# Altium PCB UltraZohm_Digital_Sensor_Board_v1.01.PcbDoc (part 2 of 4)
Units mm, origin at the board's own origin, x right, y up, seen from the top; angles counter-clockwise.
Board outline 156 x 100 mm, 4 copper layers (Top Layer, GND, VCC, Bottom Layer), stack 0.778 mm thick; 386 components, 224 nets, 1254 pads, 301 vias.
Unrouted connection lines stored in the file: 1.
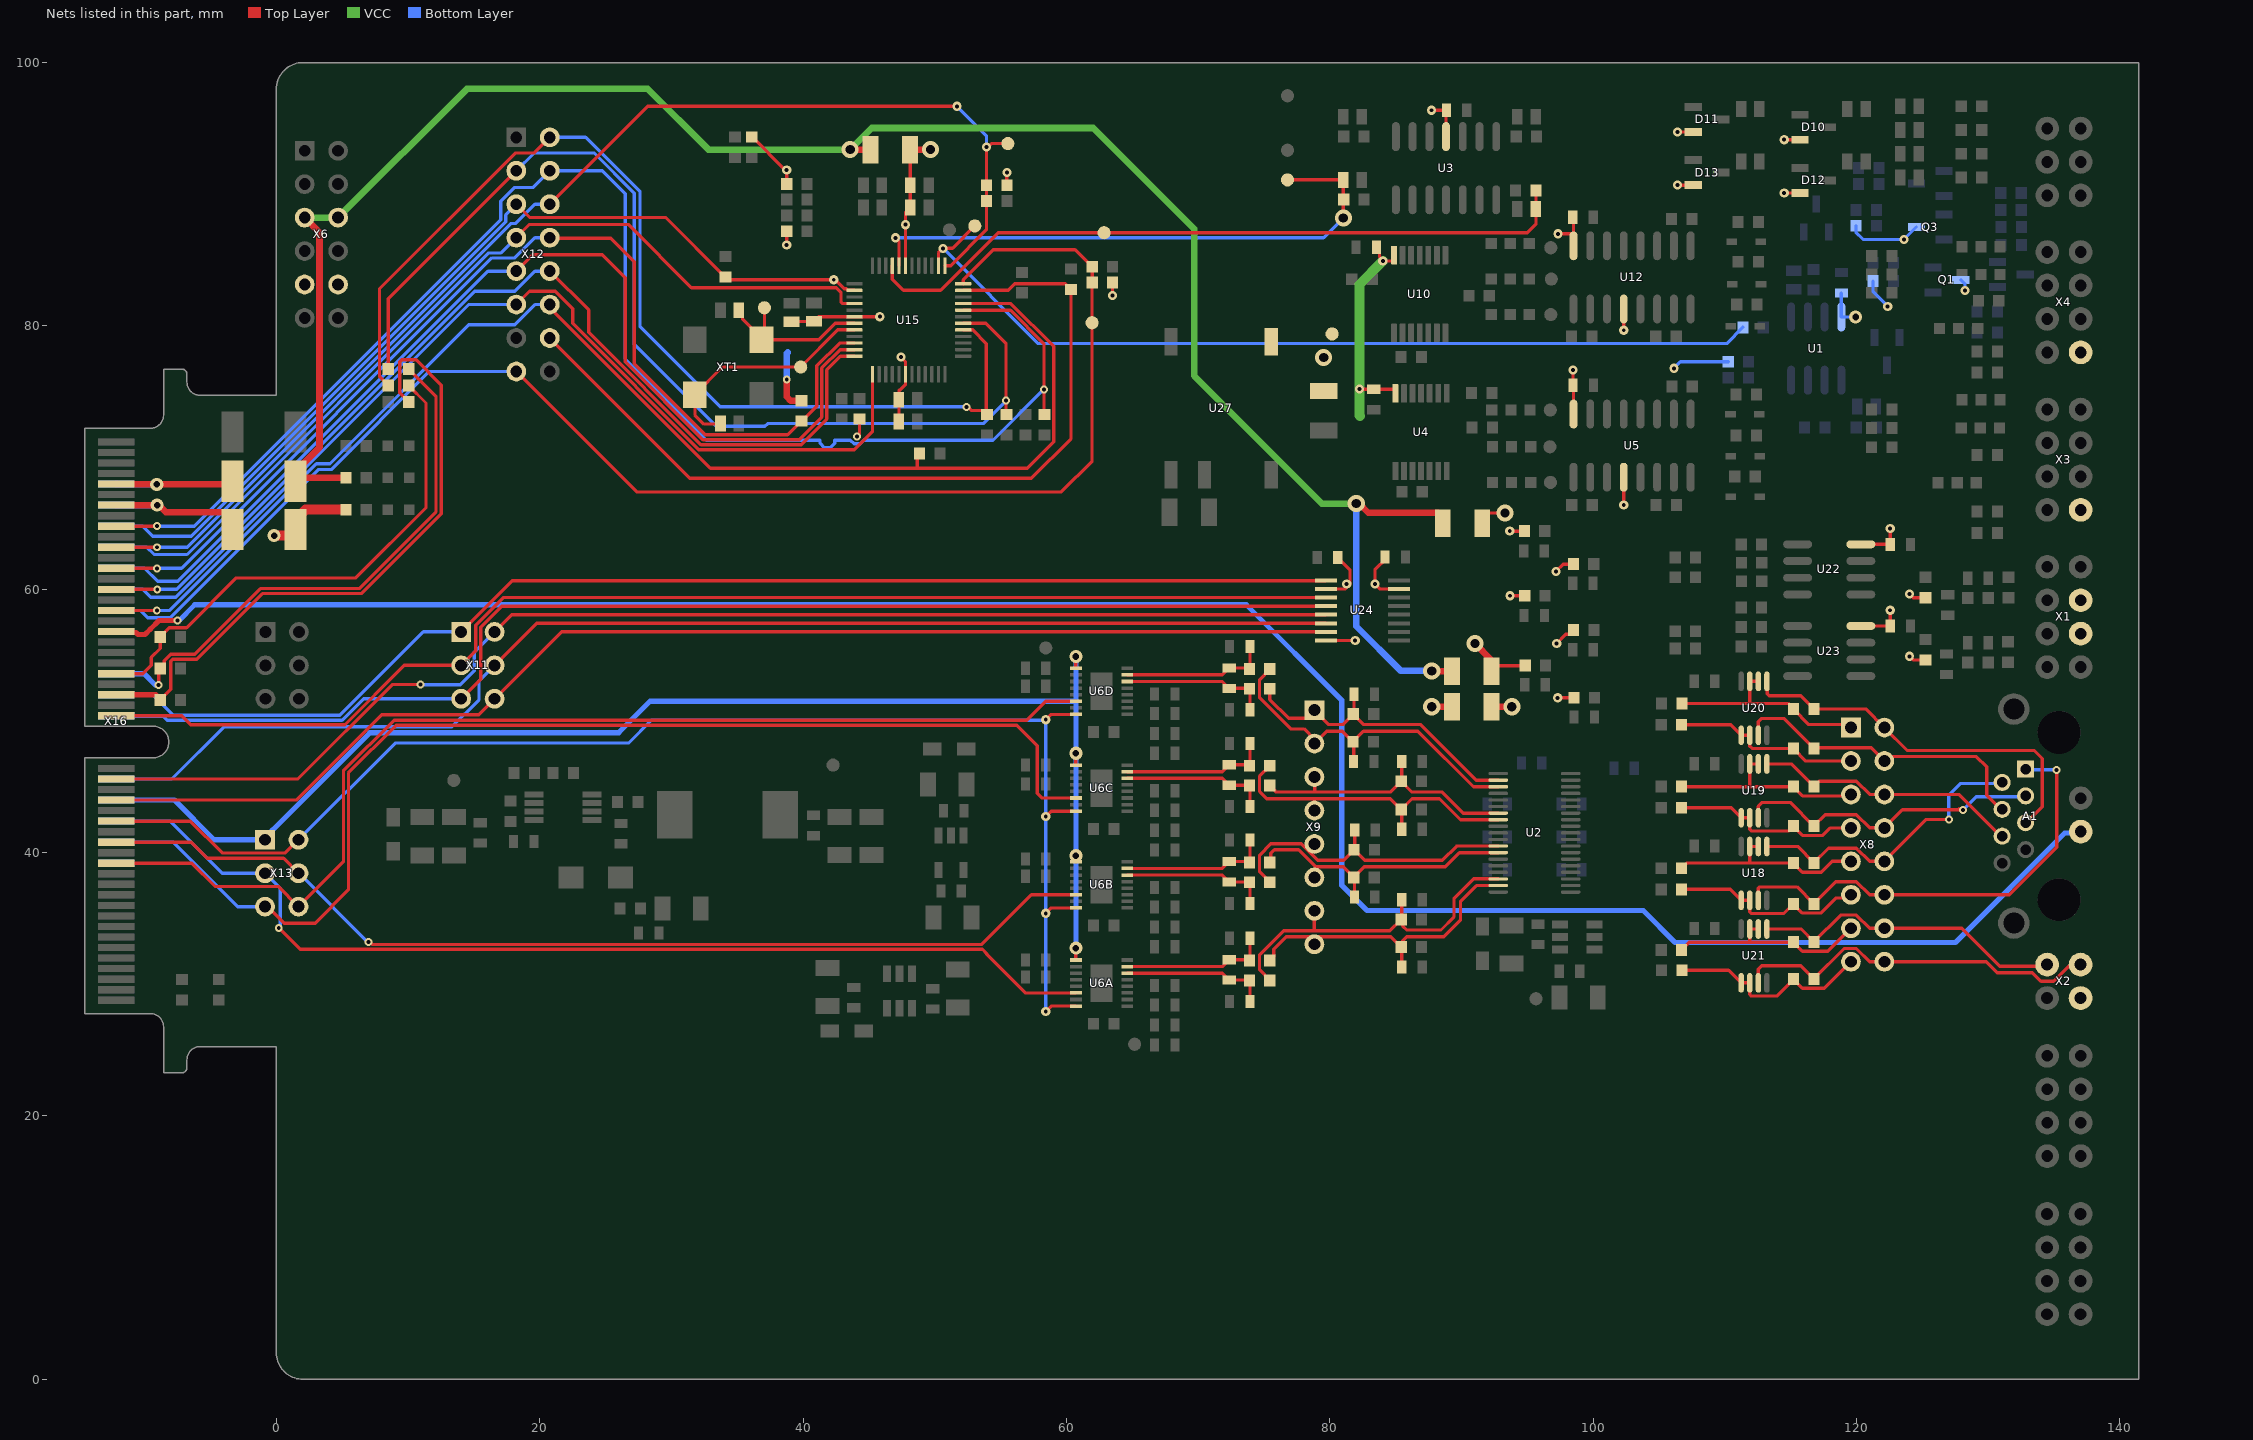
[diagram p4: the nets of this part, all layers, seen from the top]

## Part data
A1: library part CMP-1502-01699-1, "Modular Jack WR-MJ, Tab Up, Shielded, with EMI Panel Finger, Horizontal Entry, THT, 8P8C", Contact Resistance=20mOhm, Manufacturer="Wurth Elektronik", Operating Temperature=-40to85degC, Rated Current=1.5A, Withstanding Voltage=1000VAC, Working Voltage=120VAC, Compliance=Leadfree/RoHS, Datasheet URL=https://katalog.we-online.de/em/datasheet/615008140621.pdf, Entrance=Horizontal, Manufacturer URL=http://www.we-online.de, Mounting Technology=THT, Package Reference=615008140621, Packaging=Tray, Part Number=615008140621, Pin Number=8P8C, Port=1x1, Publisher=WurthElektronik
BS1 BS2 BS3 BS5: library part Bead, "6A", Manufacturer Part-Number=HI1206T500R-10, Digikey Part-Number=240-2412-1-ND
C2 C3 C5 C6 C8 C9 C11 C12: library part Cap_0603, MPN=VJ0603A560JXACW1BC, Supplier Part Number 1=77-VJ0603A560JXACBC, Voltage=50V, MF=Vishay, Supplier 1=Mouser
C7 C10 C52 C53 C54 C55 C60 C61 C62 C63 C64 C65 C67 C71 C84 C85 C86 C87 C128 C129: library part Cap_0603
C13 C14 C15 C16 C18 C19 C20 C21 C22 C23 C24 C25A C25B C25C C25D C27A C27B C27C C27D C29A C29B C29C C29D C38 C40 C45 C46 C49 C50 C57 C58: library part Cap_0603, MPN=885012206071, Supplier Part Number 1=710-885012206071, Voltage=25V, MF=Würth, Supplier 1=Mouser
C17: library part Cap_0603, MPN=RC0603FR-0775KL, Supplier Part Number 1=603-RC0603FR-0775KL, Voltage=25V, MF=Yageo, Supplier 1=Mouser
C26A C26B C26C C26D C28A C28B C28C C28D: library part Cap_0603, MPN=LMK107B7105KA-T, Supplier Part Number 1=963-LMK107B7105KA-T, Voltage=10V, MF="Taiyo Yuden", Supplier 1=Mouser
C30A C30B C30C C30D: library part Cap_0603, MPN=JMK107ABJ106KA-T, Supplier Part Number 1=963-JMK107ABJ106KA-T, Voltage=6.3V, MF="Taiyo Yuden", Supplier 1=Mouser
C31A C31B C31C C31D C33A C33B C33C C33D: library part Cap_0603, MPN=VJ0603A681GXJCW1BC, Supplier Part Number 1=77-VJ0603A681GXJCBC, Voltage=16V, MF=Vishay, Supplier 1=Mouser
C32A C32B C32C C32D: library part Cap_0603, MPN=VJ0603A471GXJPW1BC, Supplier Part Number 1=77-VJ0603A471GXJPBC, Voltage=16V, MF=Vishay, Supplier 1=Mouser
C34: library part Cap_0603, MPN=885012206065, Supplier Part Number 1=710-885012206065, Voltage=25V, MF=Würth, Supplier 1=Mouser
C35: library part Cap_0603, MPN=C0603C752J3GACTU, Supplier Part Number 1=80-C0603C752J3GACTU, Voltage=25V, MF=KEMET, Supplier 1=Mouser
C36 C37 C44 C48 C56: "Capacitor 1206", Dielectric=X5R, MPN=GRM319R6YA106KA12D, Package=1206, Supplier Part Number 1=81-GRM319R6YA106KA2D, Tolerance=10%, Voltage=35V, Created=2018_06_25_AGeiger, MF="Murata Electronics", Supplier 1=Mouser
C39: "Capacitor 1206", Dielectric=C0G, MPN=GRM3195C1H273JA01D, Package=1206, Supplier Part Number 1=81-GRM315C1H273JA01D, Tolerance=5%, Voltage=50V, Created=2018_06_25_AGeiger, MF=Murata, Supplier 1=Mouser
C41 C42: "Capacitor 1206", Dielectric=X5R, MPN=GRM31CR61A476ME15L, Package=1206, Supplier Part Number 1=81-GRM31CR61A476ME5L, Tolerance=10%, Voltage=10V, Created=2018_06_25_AGeiger, MF="Murata Electronics", Supplier 1=Mouser
C43: library part Cap_0603, MPN=885012106022, Supplier Part Number 1=710-885012106022, Voltage=25V, MF=Würth, Supplier 1=Mouser
C47 C51 C59: "Capacitor 1206", Dielectric=X5R, MPN=GRM31CR61A476ME5L, Package=1206, Supplier Part Number 1=81-GRM31CR61A476ME5L, Tolerance=10%, Voltage=10V, Created=2018_06_25_AGeiger, MF="Murata Electronics", Supplier 1=Mouser
C66 C70 C72 C73 C74 C75 C76 C77 C78 C79 C80 C81 C82 C83 C112 C113 C115 C116 C117 C125 C126: library part Cap_0603, "Capacitor Ceramic", Voltage=25V
C68 C69: library part Cap_1206, "Capacitor", Voltage=50V
C114: library part Cap_0603, "Capacitor Ceramic", Voltage=6.3V
C118 C119: library part Cap_0603, "Capacitor Ceramic", Voltage=50V
D1 D2: "DIODE ARRAY GP 100V 215MA SOT23", Manufacturer Part-Number=BAV99,235, Digikey Part-Number=1727-4311-1-ND
D3 D5 D6 D7 D8 D9: library part "Diodo TVS", "TVS DIODE 5V 13.5V SOD323", Manufacturer Part-Number=CDSOD323-T05S, Digikey Part-Number=CDSOD323-T05SCT-ND
D4: "Schottky Diode", Forward Voltage=750mV, MPN=BYS12-90-E3/TR3, Package=DO-214AC, Rated Current=1.5A, Reverse Voltage=90V, Supplier Part Number 1=2889144, MF=Vishay, Supplier 1=Farnell, Supplier 2=Mouser, Supplier 3=Digi-Key, Supplier Part Number 2=625-BYS12-90-E3/TR3, Supplier Part Number 3=BYS12-90-E3/GICT-ND
D10 D11 D12 D13: "DIODE SCHOTTKY 70V DUAL SOT23", Manufacturer Part-Number=SBAS70-04LT1G, Digikey Part-Number=SBAS70-04LT1GOSCT-ND
F1 F2 F3: library part Littelfuse_PTC_1812, "Resettable PTC Polyfuse SMD, 1812, automotive", Hold Current=1.1A, MPN=miniASMDC110F/24, Package=1812, Resistance=0.18Ohm, Trip Current=2.2A, Voltage=24V, ComponentLink1Description=Datasheet, ComponentLink1URL=https://www.littelfuse.com/~/media/electronics/datasheets/resettable_ptcs/littelfuse_ptc_surface_mount_catalog_datasheet.pdf.pdf, Created=2019_02_10_AGeiger, MF=Littelfuse
L1 L3 L4 L6: library part "WE-CBF, 742792040", "WE-CBF SMD EMI Suppression Ferrite Bead, 0805, 600Ω", MPN=742792040, Supplier Part Number 1=2761567, ComponentLink1Description=Manufacturer, ComponentLink1URL=http://www.we-online.de, ComponentLink2Description=Datasheet, ComponentLink2URL=http://katalog.we-online.de/pbs/datasheet/742792040.pdf, MF="Wurth Elektronik", PublishedDate="Aug 2016", Size=0805, Supplier 1=Farnell, Supplier 2=Mouser, Supplier 3=Digi-Key, Supplier Part Number 2=710-742792040, Supplier Part Number 3=732-1620-1-ND, Type="High Current"
L2: library part B82464G4154M, "SMT power Inductor, 150uH, 320m DRC", Rated Current="0.85 A", Supplier Part Number 1=871-B82464G4154M, DCR=320m, MF="EPCOS / TDK", MPN=B82464G4154M, Supplier 1=Mouser
LED1: library part CMP-1426-00003-1, "SMD mono-color Chip LED, WL-SMCW, Blue", Color=Blue, Manufacturer="Wuerth Elektronik", ComponentLink1Description="Manufacturer URL", ComponentLink1URL=http://www.we-online.com, ComponentLink2Description=Datasheet, ComponentLink2URL=http://katalog.we-online.com/led/datasheet/150060BS75000.pdf, PackageReference=0603_A, PartNumber=150060BS75000
LED2: library part CMP-1426-00001-1, "SMD mono-color Chip LED, WL-SMCW, Red", Color=Red, Manufacturer="Wuerth Elektronik", ComponentLink1Description="Manufacturer URL", ComponentLink1URL=http://www.we-online.com, ComponentLink2Description=Datasheet, ComponentLink2URL=http://katalog.we-online.com/led/datasheet/150060RS75000.pdf, PackageReference=0603_A, PartNumber=150060RS75000
LED3: library part CMP-1426-00002-1, "SMD mono-color Chip LED, WL-SMCW, Green", Color=Green, Manufacturer="Wuerth Elektronik", ComponentLink1Description="Manufacturer URL", ComponentLink1URL=http://www.we-online.com, ComponentLink2Description=Datasheet, ComponentLink2URL=http://katalog.we-online.com/led/datasheet/150060GS75000.pdf, PackageReference=0603_A, PartNumber=150060GS75000
Q1 Q3: library part "NPN Transistor BC846", "NPN Bipolar Transistor", Manufacturer Part-Number=BC846BLT3G, Digikey Part-Number=BC846BLT3GOSCT-ND
Q2 Q4: library part "PNP Transistor BC846", "PNP Bipolar Transistor", Manufacturer Part-Number=BC856B,215, Digikey Part-Number=1727-2925-1-ND
R1 R2 R3 R4 R5 R7 R8 R11 R16 R17 R18 R21 R24 R25 R28 R31 R34 R35 R37 R44 R48 R49 R50 R61 R62 R63 R66 R67 R68 R69 R70 R71 R72 R73 R74 R75 R76 R77 R78 R79 R80 R81 R82 R83 R84 R85 R87 R89 R91 R93 R95 R97: library part R_0603
  R49 R50 R62 R63: MF=Vishay, Supplier 1=Mouser
R6 R14 R15 R26 R27 R36 R38 R41 R47A R47B R47C R47D R51 R52 R53 R54 R60 R64 R65 R98 R99 R100 R101 R102 R103 R107 R108 R109 R110 R111 R112 R115 R117 R130 R154 R155 R156 R157 R158 R159 R160 R163 R164 R188 R189 R190 R194 R195 R196: library part R_0603, MPN=CRCW06030000Z0EAC, Supplier Part Number 1=71-CRCW06030000Z0EAC, MF=Vishay, Supplier 1=Mouser
R9 R10 R12 R13 R19 R20 R22 R23 R29 R30 R33 R39 R40 R42 R43 R57 R59: library part R_0603, MPN=RC0603FR-071KL, Supplier Part Number 1=603-RC0603FR-071KL, MF=Yageo, Supplier 1=Mouser
R32: library part R_0603, Case_EIA=0603, MPN=RC0603FR-071KL, Supplier Part Number 1=603-RC0603FR-071KL, MF=Yageo, Supplier 1=Mouser
R45A R45B R45C R45D R46A R46B R46C R46D: library part R_0603, MPN=RC0603FR-0724R9L, Supplier Part Number 1=603-RC0603FR-0724R9L, MF=Yageo, Supplier 1=Mouser
R55: library part R_0603, MPN=CRCW0603162KFKEA, Supplier Part Number 1=71-CRCW0603-162K-E3, MF=Vishay, Supplier 1=Mouser
R56: library part R_0603, MPN=RC0603FR-0775KL, Supplier Part Number 1=603-RC0603FR-0775KL, MF=Yageo, Supplier 1=Mouser
R58: library part R_0603, MPN=RC0603FR-07133KL, Supplier Part Number 1=603-RC0603FR-07133KL, MF=Yageo, Supplier 1=Mouser
R86 R88 R90 R92 R94 R96 R185 R186 R187 R191 R192 R193: library part R_config, "Solder 0603 resistor/jumper between pads 1 and 2 for standard function. Solter resistor between pads 2 and 3 for alternative function", MPN=MCWR06X1002FTL, Package=0603, Power=100mW, Supplier Part Number 1=2447230, Tolerance=1%, Voltage=50V, Created=2018_09_04_AGeiger, MF=Multicomp, Supplier 1=Farnell
R104 R105 R106: library part R_0603, MPN=CRCW060324K9FKEAC, Package=0603, Supplier Part Number 1=71-CRCW060324K9FKEAC, MF="Vishay / Dale", Supplier 1=Mouser
R125 R126 R127 R128 R129 R131 R132 R133 R161 R162 R167 R168 R169 R170 R171 R172 R173 R174: library part R_0603, "DNP", MPN=CRCW06030000Z0EAC, Supplier Part Number 1=71-CRCW06030000Z0EAC, MF=Vishay, Supplier 1=Mouser
TP1 TP2 TP3 TP4 TP5 TP6 TP7 TP8 TP9 TP10 TP11 TP12 TP13 TP14 TP15 TP16 TP17 TP18 TP19 TP20 TP21 TP22: "Testpoint 1mm", Created=2018_06_25_AGeiger
U1: library part AD8662, "IC OPAMP GP 2 CIRCUIT 14SOIC", Manufacturer Part-Number=AD8662ARZ-REEL7, Digikey Part-Number=AD8662ARZ-REEL7CT-ND
U2: library part THS4521, MPN=THS4524IDBTR, Package=TSSOP-38, Supplier Part Number 1=2496350, MF="Texas Instruments", Supplier 1=Farnell, Supplier 2=Mouser, Supplier 3=Digi-Key, Supplier Part Number 2=595-THS4524IDBTR, Supplier Part Number 3=296-24315-1-ND
U3: "IC OPAMP GP 4 CIRCUIT 14SO", Manufacturer Part-Number=LT1639HS#PBF, Digikey Part-Number=LT1639HS#PBF-ND
U4 U10: library part CMP-0859-00971-3, "Single Power Supply Quadruple Buffer GATE w/ 3-State Output CMOS Logic Level Shifter, PW0014A, LARGE T&R", F @ Nom Voltage(Max)(Mhz)=50, Generic Part Number=SN74LV4T125, ICC @ Nom Voltage(Max)(mA)=0.02, Manufacturer="Texas Instruments", Operating Temperature Range(C)="-40 to 125", Rating=Catalog, tpd @ Nom Voltage(Max)(ns)=12,7,5.5,3.5, Voltage(Nom)(V)=1.8,2.5,3.3,5, 3-State Output=Yes, Bits(#)=4, DatasheetVersion=SCLS749B, Input Type=CMOS/TTL, Logic=True, Output Drive (IOL/IOH)(Max)(mA)=16/-16, Output Type=CMOS, PackageReference=PW0014A, Schmitt Trigger=No, Sub-Family="Single Supply Translator", Technology Family=LV-A, VCC(Max)(V)=5.5, VCC(Min)(V)=1.6
U5 U12: "Logic Differential to Single Ended", Manufacturer Part-Number=AM26C32MDREP, Digikey Part-Number=296-23458-1-ND
U6A U6B U6C U6D: library part LTC2311-16, "16 Bit SAR ADC, 5MSps", MPN=LTC2311CMSE-16#PBF, Package=MSOP-16, Supplier Part Number 1=584-C2311CMSE-16PBF, MF="Analog Devices", Supplier 1=Mouser, Supplier 2=Digi-Key, Supplier Part Number 2=LTC2311CMSE-16#PBF-ND
U7: "Buck Converter, 9-75Vin, 2.5-73Vout", MPN=LM5007MM/NOPB, Package=VSSOP-8, Supplier Part Number 1=9779345, MF="Texas Instruments", Supplier 1=Farnell, Supplier 2=Mouser, Supplier 3=Digi-Key, Supplier Part Number 2=926-LM5007MM/NOPB, Supplier Part Number 3=LM5007MM/NOPBCT-ND
U8: "150mA, 2.5V LDO", MPN=TLV74125PDBVR, Package=SOT-23-5, Supplier Part Number 1=595-TLV74125PDBVR, MF="Texas Instruments", Supplier 1=Mouser, Supplier 2=Digi-Key, Supplier Part Number 2=296-49999-1-ND
U9: MPN=LT6654BIS6-5#TRMPBF, Package=TSOT-23-6, Supplier Part Number 1=2761960, MF="Analog Devices", Supplier 1=Farnell, Supplier 2=Mouser, Supplier 3=Digi-Key, Supplier Part Number 2=584-6654BIS65TRMPBF, Supplier Part Number 3=LT6654BIS6-5#TRMPBF-ND
U11: MPN=LT6654BIS6-2.5#TRMPBF, Package=TSOT-23-6, Supplier Part Number 1=2761960, MF="Analog Devices", Supplier 1=Farnell, Supplier 2=Mouser, Supplier 3=Digi-Key, Supplier Part Number 2=584-6654BIS625TRMPBF, Supplier Part Number 3=LT6654BIS6-2.5#TRMPBF-ND
U15: "Variable Resolution, 10-Bit to 16-Bit R/D Converter with Reference Oscillator", MPN=AD2S1210WDSTZRL7, Package=LQFP-48, Supplier Part Number 1=584-AD2S1210WDSTZR7, ComponentLink1Description=Datasheet, ComponentLink1URL=https://www.analog.com/media/en/technical-documentation/data-sheets/AD2S1210.pdf, Created=2019_04_20_AGeiger, MF="Analog Devices", Supplier 1=Mouser, Supplier 2=Digi-Key, Supplier Part Number 2=AD2S1210WDSTZRL7CT-ND
U18 U19 U20 U21: "IC OPAMP GP 2 CIRCUIT 8MSOP", Manufacturer Part-Number=LT6203CMS8#PBF, Digikey Part-Number=LT6203CMS8#PBF-ND
U22 U23: library part "Transmisor RS485", "IC TRANSCEIVER HALF 1/1 8SOIC", Manufacturer Part-Number=SN75HVD08DR, Digikey Part-Number=296-37893-1-ND
U24: library part "Level Shifter 1.8V/3.3V", "Level shifter bidireccional 6 canales", Digikey Part-Number=296-23759-1-ND
U27: library part "DC/DC +12V 1W", "DC DC CONVERTER 12V 1W", Manufacturer Part-Number=PDS1-S24-S12-M-TR, Digikey Part-Number=102-3406-1-ND
X1 X3 X4 X14 X15: "CONN HEADER R/A 8POS 2.54MM Through Hole", Manufacturer Part-Number=IPL1-104-01-L-D-RA-K, Digikey Part-Number=SAM9596-ND
X2: "CONN HEADER R/A 4 POS 2.54MM Through Hole", Manufacturer Part-Number=IPL1-102-01-L-D-RA-K, Digikey Part-Number=SAM8823-ND
X5: "CONN HEADER R/A 6 POS 2.54MM Through Hole", Manufacturer Part-Number=IPL1-103-01-L-D-RA-K, Digikey Part-Number=SAM9096-ND
X6: "Header, 6-Pin, Dual row", LatestRevisionDate=17-Jul-2002, LatestRevisionNote="Re-released for DXP Platform.", Publisher="Altium Limited"
X7: "CONN HEADER R/A 2POS 2.54MM Through Hole", Manufacturer Part-Number=IPL1-102-01-S-S-RA-K, Digikey Part-Number=SAM12667-ND
X8 X12: "Header, 8-Pin, Dual row", LatestRevisionDate=17-Jul-2002, LatestRevisionNote="Re-released for DXP Platform.", Publisher="Altium Limited"
X9: "Header, 8-Pin", LatestRevisionDate=17-Jul-2002, LatestRevisionNote="Re-released for DXP Platform.", Publisher="Altium Limited"
X10 X11 X13: "Header, 3-Pin, Dual row", LatestRevisionDate=17-Jul-2002, LatestRevisionNote="Re-released for DXP Platform.", Publisher="Altium Limited"
X16: "Mating Card Layout for HSEC8-150-01-XX-DV-A-BL", Manufacturer=SAMTEC, Created=2018_04_23_AGeiger
XT1: library part Crystal_8MHz, "CRYSTAL 8MHZ 18PF SMD", Manufacturer Part-Number=ECS-80-18-30B-AGN-TR, Digikey Part-Number=XC2709CT-ND

## Via types
v1: diameter 0.7, hole 0.3, Top Layer to Bottom Layer, 209 vias
v2: diameter 0.6, hole 0.3, Top Layer to Bottom Layer, 45 vias
v3: diameter 1.3, hole 0.7, Top Layer to Bottom Layer, 26 vias
v4: diameter 1, hole 0.5, Top Layer to Bottom Layer, 20 vias
v5: diameter 0.5, hole 0.3, Top Layer to Bottom Layer, 1 vias

## Nets (pads, with @x,y where several pads share a name; then routed paths per layer and width w, separated by ;. In a path a pad name is that pad's centre, name@x,y a point inside that pad or via, vN(x,y) a via of type N, cw(c..) or ccw(c..) an arc to the next point about the centre after c; other vN are vias at no path point)
3V3_D_G: BS2.2 C85.1 C87.1 C125.2 C126.2 F3.2 R106.2 R128.2 R131.2 R161.2 R162.2 R171.2 R172.2 U4.14 U10.14 U15.18 X6.9 X6.10 | length 40.7
  Top Layer w0.25: R128.2@36.099,94.355 36.124,94.355 38.645,91.834 v1(38.755,91.834) R172.2@38.755,90.788 ; v1(38.755,86.142) R171.2@38.755,87.188 ; v2(44.104,71.591) 44.281,71.768 R131.2@44.281,72.921 ; C126.2@47.28,72.743 C125.2@47.28,74.398 47.28,75.123 47.332,75.123 47.78,75.571 U15.18@47.78,76.321 47.78,77.288 v1(47.43,77.638) ; R161.2@55.478,90.68 v1(55.478,91.655) ; v1(63.505,82.313) R162.2@63.505,83.288 ; v1(82.259,75.209) 82.269,75.199 83.325,75.199 C85.1@83.335,75.189 84.885,75.189 84.985,75.089 U4.14@84.985,74.879 ; C87.1@83.549,85.977 83.774,85.752 83.774,85.3 84.03,85.044 v1(84.03,84.923) 84.78,84.923 84.88,85.023 U10.14@84.88,85.37
  Top Layer w0.5: v3(87.745,51.081) BS2.2@89.285,51.081
  Top Layer w0.762: v4(-0.17,64.079) 0.989,64.079 F3.2@1.448,64.54 1.448,65.27 2.221,66.043 R106.2@5.284,66.043
  VCC w0.762: 82.285,73.153 82.259,73.179 v1(82.259,75.209) 82.259,83.152 v1(84.03,84.923)
3V3_PER: F3.1 X16.13 X16.14 | length 13.1
  Top Layer w0.5: X16.13@-12.153,66.391 v4(-9.058,66.391) -8.923,66.391 -8.392,65.86 -3.922,65.86 -3.332,65.27 F3.1@-3.332,64.54
  Bottom Layer w0.5: X16.14@-12.153,66.391 v4(-9.058,66.391)
5V_PER: F2.1 X16.9 X16.10 | length 12
  Top Layer w0.5: X16.9@-12.153,67.991 -12.141,67.979 -9.097,67.979 v4(-9.085,67.967) -3.624,67.967 -3.6,67.943 F2.1@-3.332,68.21
  Bottom Layer w0.5: X16.10@-12.153,67.991 -12.129,67.967 v4(-9.085,67.967)
5V_PER_fused: BS1.2 BS3.2 BS5.2 F2.2 R105.2 X6.5 X6.6 | length 157
  Top Layer w0.5: X6.5@2.152,88.223 3.279,87.096 3.279,70.772 1.448,68.94 F2.2@1.448,68.21 1.701,68.463 R105.2@5.284,68.463 ; v3(43.577,93.388) BS5.2@45.13,93.388 ; v3(82.01,66.508) 82.227,66.508 82.927,65.807 88.235,65.807 88.585,65.457 BS3.2@88.585,65.007 ; v3(87.745,53.781) BS1.2@89.285,53.781
  VCC w0.5: X6.5@2.152,88.223 X6.6@4.692,88.223 14.469,98 28.202,98 32.814,93.388 v3(43.577,93.388) 45.219,95.03 62.036,95.03 69.704,87.362 69.704,76.201 79.396,66.508 v3(82.01,66.508)
  Bottom Layer w0.5: v3(82.01,66.508) 82.01,57.191 85.4,53.801 87.725,53.801 v3(87.745,53.781)
+3V3_A_E: BS2.1 C128.1 U24.2 U24.8 X1.3 | length 8.3
  Top Layer w0.25: U24.8@79.705,56.116 v1(81.929,56.116) ; U24.2@79.705,60.016 81.14,60.016 v1@81.407,60.283 ; C128.1@80.605,62.406 81.53,61.481 81.53,60.406 v1@81.407,60.283 ; v1(81.283,60.406) v1@81.407,60.283
  Top Layer w0.5: BS2.1@92.285,51.081 v3(93.825,51.081)
+5V_A_E: BS1.1 C7.1 C63.1 C129.1 R1.2 R2.2 R3.2 R4.2 R5.2 R7.2 R8.2 R24.2 U22.8 U23.8 U24.15 X1.5 | length 25.3
  Top Layer w0.25: C129.1@84.355,62.406 83.43,61.481 v1(83.43,60.406) 83.821,60.016 U24.15@85.255,60.016 ; BS1.1@92.702,54.198 R5.2@94.84,54.198 ; v1(93.665,64.414) R1.2@94.782,64.414 ; v1(93.69,59.506) R3.2@94.805,59.506 ; v1(97.17,61.356) 97.72,61.906 R2.2@98.498,61.906 ; v1(97.234,55.881) 97.238,55.881 97.931,56.574 98.205,56.574 98.505,56.874 R4.2@98.505,56.899 ; v1(97.31,51.756) R7.2@98.555,51.756 ; U23.8@120.33,57.211 122.55,57.211 C63.1@122.555,57.206 v1(122.555,58.406) ; U22.8@120.33,63.411 C7.1@122.55,63.411 ; C7.1@122.555,63.406 v1(122.555,64.606) ; v1(124.03,54.906) 124.305,54.631 R24.2@125.23,54.631 ; v1(124.03,59.631) 124.305,59.356 R8.2@125.23,59.356
  Top Layer w0.5: v3(91.019,55.881) 92.285,54.615 BS1.1@92.285,53.781
+5V_D_G: BS3.1 C84.1 C86.1 U5.4 U5.16 U12.4 U12.16 X3.7 X4.7 | length 12.7
  Top Layer w0.25: BS3.1@91.585,65.007 91.585,65.316 92.06,65.791 v3(93.296,65.791) ; v1(97.341,86.991) U12.16@98.513,86.991 ; v1(98.478,76.659) C84.1@98.478,75.486 98.513,75.451 U5.16@98.513,73.307 ; C86.1@98.478,88.263 98.513,88.227 U12.16@98.513,86.083 ; v1(102.323,66.391) U5.4@102.323,68.507 ; v1(102.323,79.668) U12.4@102.323,81.283
+5V_RESOLVER: BS5.1 C71.1 C112.2 C113.2 C116.2 C117.2 D10.2 D11.2 D12.2 D13.2 R133.2 U3.4 U15.6 U15.43 | length 29.9
  Top Layer w0.25: C116.2@39.12,80.328 40.796,80.328 ccw(c40.796,80.362) C117.2@40.82,80.338 41.179,80.696 U15.6@43.905,80.696 v1(45.83,80.696) ; U15.43@47.78,84.571 v1(47.78,87.688) 47.78,88.638 C112.2@48.13,88.988 C113.2@48.13,90.688 BS5.1@48.13,93.388 ; v1(87.73,96.378) C71.1@88.855,96.378 ; U3.4@88.83,94.378 C71.1@88.83,96.353 ; v1(106.405,90.69) D13.2@107.605,90.69 ; v1(106.405,94.728) D11.2@107.605,94.728 ; v1(114.51,90.1) D12.2@115.71,90.1 ; v1(114.51,94.138) D10.2@115.71,94.138
  Top Layer w0.5: v2(38.76,75.939) 38.76,74.613 39.053,74.32 R133.2@39.88,74.32 ; BS5.1@48.13,93.388 v3(49.683,93.388)
  Bottom Layer w0.5: v2(38.76,75.939) 38.76,77.912 38.83,77.982
+12V: C67.1 C69.1 Q1.3 Q3.3 R37.2 R38.2 R54.2 TP19.1 U1.8 U27.5 | length 16.3
  Bottom Layer w0.25: v1(106.13,76.778) 106.63,77.278 R37.2@110.255,77.278 ; C67.1@118.849,82.503 U1.8@118.849,80.678 v4(119.93,80.678) ; R54.2@119.959,87.6 119.959,87.122 120.521,86.56 v1(123.604,86.56) Q3.3@124.554,87.51 ; R38.2@121.259,83.4 121.259,82.587 v1(122.368,81.478) ; Q1.3@127.914,83.49 128.247,83.157 v1(128.247,82.691)
  other v3: 79.537,77.591
+24V: X2.3
\Reset_Resolver: R130.1 U15.33 X12.12 X16.33 | length 103.6
  Top Layer w0.25: X16.33@-12.153,58.391 v2(-9.079,58.391) ; X12.12@20.763,81.619 20.763,81.394 32.967,69.191 48.68,69.191 ; R130.1@48.741,70.401 48.68,70.34 48.68,69.191 ; U15.33@52.155,81.696 55.789,81.696 59.035,78.451 59.035,71.192 57.034,69.191 48.68,69.191
  Bottom Layer w0.25: v2(-9.079,58.391) -8.102,58.391 3.047,69.541 4.076,69.541 14.616,80.081 18.102,80.081 19.638,81.617 20.761,81.617 X12.12@20.763,81.619
\Resolver_CS: R127.1 U15.2 X12.5 X16.18 | length 69.9
  Top Layer w0.25: X12.5@18.223,89.239 19.225,88.237 29.553,88.237 R127.1@34.081,83.709 ; R127.1@34.106,83.709 R127.1@34.081,83.709 ; v1@42.33,83.49 42.465,83.49 42.677,83.277 43.135,82.819 43.282,82.819 43.405,82.696 U15.2@43.905,82.696 ; v1(42.33,83.502) 34.287,83.502 R127.1@34.081,83.709
  Bottom Layer w0.25: X16.18@-12.153,64.791 -10.143,64.791 -9.379,64.027 -6.456,64.027 17.411,87.894 17.411,88.427 X12.5@18.223,89.239
A: R108.1 R167.2 U15.29 X12.2 | length 80.7
  Top Layer w0.25: R108.1@8.506,75.479 8.506,75.504 8.019,75.99 8.005,75.99 7.829,76.167 7.829,82.802 18.164,93.137 19.581,93.137 X12.2@20.763,94.319 ; U15.29@52.155,79.696 52.881,79.696 53.919,78.659 53.919,73.31 53.658,73.571 52.8,73.571 52.518,73.853 v2(52.424,73.853)
  Bottom Layer w0.25: X12.2@20.763,94.319 23.482,94.319 27.623,90.178 27.623,79.942 33.712,73.853 v2(52.424,73.853)
ADC1_CVN: U6A.9 U6B.9 U6C.9 U6D.9 X13.1 X16.62 | length 103.9
  Top Layer w0.25: U6A.9@60.719,31.846 v4(60.719,32.744) ; U6B.9@60.719,39.296 v4(60.719,39.765) ; U6C.9@60.719,46.646 v4(60.719,47.544) ; U6D.9@60.719,53.996 v4(60.719,54.894)
  Bottom Layer w0.4: X16.62@-12.153,43.991 -7.726,43.991 -4.712,40.976 X13.1@-0.86,40.976 -0.31,41.526 -0.31,41.691 7.102,49.103 25.995,49.103 28.389,51.496 60.719,51.496 ; v4(60.719,32.744) v4(60.719,39.765) v4(60.719,47.544) 60.719,51.496 ; v4(60.719,54.894) 60.719,51.496
ADC1_IN_N1: C2.2 R10.2 R46A.1 U2.37 X9.8 | length 23.2
  Top Layer w0.25: R46A.1@75.444,31.794 75.744,32.094 75.744,32.679 76.684,33.619 78.83,33.619 84.622,33.619 R10.2@85.42,32.821 85.545,32.946 85.545,33.319 85.845,33.619 88.654,33.619 89.934,34.9 89.934,36.3 91.134,37.5 U2.37@92.793,37.5 ; C2.2@85.47,31.321 R10.2@85.47,32.771
ADC1_IN_N2: C5.2 R20.2 R46B.1 U2.32 X9.6 | length 22
  Top Layer w0.25: R46B.1@75.444,39.244 75.527,39.328 75.527,39.944 75.798,40.215 77.631,40.215 78.931,38.915 ; X9.6@78.83,38.12 78.931,38.221 78.931,38.915 ; C5.2@81.87,36.621 R20.2@81.87,38.063 ; U2.32@92.793,40 89.847,40 88.762,38.915 82.622,38.915 R20.2@81.82,38.113 81.018,38.915 78.931,38.915
ADC1_IN_N3: C8.2 R30.2 R46C.1 U2.27 X9.4 | length 24.3
  Top Layer w0.25: R46C.1@75.444,46.594 75.444,46.569 74.694,45.819 74.669,45.819 74.669,44.64 75.214,44.094 78.83,44.094 ; X9.4@78.83,43.2 78.83,44.094 ; C8.2@85.47,41.771 R30.2@85.47,43.221 ; U2.27@92.793,42.496 89.93,42.496 89.926,42.5 88.332,44.094 86.243,44.094 R30.2@85.42,43.271 84.597,44.094 78.83,44.094
ADC1_IN_N4: C11.2 R40.2 R46D.1 U2.22 X9.2 | length 26.5
  Top Layer w0.25: R46D.1@75.444,53.944 75.444,53.919 74.669,53.144 74.669,51.746 77.025,49.39 78.044,49.39 78.83,48.604 X9.2@78.83,48.28 79.77,49.219 80.962,49.219 R40.2@81.76,48.421 82.558,49.219 86.695,49.219 90.914,45 U2.22@92.793,45 ; C11.2@81.81,46.921 R40.2@81.81,48.371
ADC1_IN_P1: C3.2 R13.2 R45A.1 U2.36 X9.7 | length 27.4
  Top Layer w0.25: R45A.1@75.444,30.296 75.444,30.321 74.669,31.096 74.669,32.251 76.487,34.069 78.83,34.069 ; X9.7@78.83,35.58 78.83,34.069 ; R13.2@85.47,34.971 C3.2@85.47,36.421 ; U2.36@92.793,38.004 90.926,38.004 90.922,38 89.43,36.509 89.43,35.108 88.445,34.123 85.845,34.123 85.545,34.423 85.545,34.796 R13.2@85.42,34.921 84.568,34.069 78.83,34.069
ADC1_IN_P2: C6.2 R23.2 R45B.1 U2.31 X9.5 | length 23.9
  Top Layer w0.25: R45B.1@75.444,37.746 75.444,37.771 74.671,38.544 74.669,38.544 74.669,39.812 75.522,40.665 77.841,40.665 79.087,39.419 81.043,39.419 R23.2@81.845,40.221 82.647,39.419 88.553,39.419 89.634,40.5 89.638,40.504 U2.31@92.793,40.504 ; R23.2@81.895,40.271 C6.2@81.895,41.721
ADC1_IN_P3: C9.2 R33.2 R45C.1 U2.26 X9.3 | length 21.5
  Top Layer w0.25: R45C.1@75.444,45.096 75.444,45.071 75.744,44.771 75.769,44.771 75.942,44.598 78.848,44.598 ; X9.3@78.83,45.74 78.848,45.722 78.848,44.598 ; R33.2@85.47,45.471 C9.2@85.47,46.921 ; U2.26@92.793,43 90.139,43 88.541,44.598 86.243,44.598 R33.2@85.42,45.421 84.597,44.598 78.848,44.598
ADC1_IN_P4: C12.2 R43.2 R45D.1 U2.21 X9.1 | length 23.3
  Top Layer w0.25: R45D.1@75.444,52.446 75.444,51.626 76.874,50.195 78.205,50.195 X9.1@78.83,50.82 79.927,49.723 80.987,49.723 R43.2@81.785,50.521 82.583,49.723 86.903,49.723 91.122,45.504 U2.21@92.793,45.504 ; R43.2@81.835,50.571 C12.2@81.835,52.021
ADC1_OUT_P1: U6A.14 X13.3 X16.66 | length 80.2
  Top Layer w0.25: v2(0.181,34.286) 1.815,32.651 53.628,32.651 53.958,32.321 53.958,32.268 56.879,29.346 U6A.14@60.719,29.346
  Bottom Layer w0.25: X16.66@-12.153,42.391 -8.063,42.391 -4.109,38.436 X13.3@-0.86,38.436 0.287,37.29 0.287,34.391 v2(0.181,34.286)
ADC1_OUT_P2: U6B.14 X13.4 X16.69 | length 77.6
  Top Layer w0.25: X16.69@-12.153,40.791 -6.463,40.791 -5.24,39.568 0.548,39.568 X13.4@1.68,38.436 ; v2(7,33.203) 7.095,33.203 7.27,33.028 53.576,33.028 57.343,36.796 U6B.14@60.719,36.796
  Bottom Layer w0.25: X13.4@1.68,38.436 1.724,38.436 6.956,33.203 v2(7,33.203)
ADC1_OUT_P3: U6C.14 X13.5 X16.70 | length 91.3
  Top Layer w0.25: X13.5@-0.858,35.894 -0.647,35.894 0.608,34.639 2.95,34.639 5.475,37.164 5.475,46.051 9.093,49.669 56.239,49.669 57.786,48.122 57.786,44.512 58.151,44.146 U6C.14@60.719,44.146
  Bottom Layer w0.25: X16.70@-12.153,40.791 -7.833,40.791 -2.939,35.896 X13.5@-0.86,35.896
ADC1_OUT_P4: U6D.14 X13.6 X16.73 | length 84.7
  Top Layer w0.25: X16.73@-12.153,39.191 -6.416,39.191 -4.659,37.434 0.142,37.434 X13.6@1.68,35.896 5.098,39.314 5.098,46.207 8.937,50.046 56.979,50.046 58.429,51.496 U6D.14@60.719,51.496
ADC_CLK1_P: U6A.16 U6B.16 U6C.16 U6D.16 X13.2 X16.65 | length 107.7
  Top Layer w0.25: X16.65@-12.153,42.391 -6.525,42.391 -4.109,39.974 0.678,39.974 X13.2@1.68,40.976 ; v1(58.43,27.942) 58.834,28.346 U6A.16@60.719,28.346 ; v1(58.43,35.392) 58.834,35.796 U6B.16@60.719,35.796 ; v1(58.43,42.742) 58.834,43.146 U6C.16@60.719,43.146 ; v1(58.43,50.092) 58.834,50.496 U6D.16@60.719,50.496
  Bottom Layer w0.25: X13.2@1.68,40.976 9.024,48.32 26.744,48.32 28.47,50.046 58.384,50.046 v1(58.43,50.092) v1(58.43,42.742) v1(58.43,35.392) v1(58.43,27.942)
ADC_INA_N: C32A.2 C33A.1 R46A.2 U6A.7 | length 11.2
  Top Layer w0.25: U6A.7@64.619,31.35 71.188,31.35 71.19,31.348 71.846,31.348 C32A.2@72.369,31.871 73.817,31.871 R46A.2@73.894,31.794 ; R46A.2@73.944,31.844 C33A.1@73.944,33.496
ADC_INA_P: C31A.2 C32A.1 R45A.2 U6A.6 | length 11.1
  Top Layer w0.25: U6A.6@64.619,30.846 70.979,30.846 70.981,30.844 71.846,30.844 C32A.1@72.369,30.321 73.869,30.321 R45A.2@73.894,30.296 ; C31A.2@73.944,28.696 R45A.2@73.944,30.246
ADC_INB_N: C32B.2 C33B.1 R46B.2 U6B.7 | length 11.2
  Top Layer w0.25: U6B.7@64.619,38.8 71.188,38.8 71.19,38.798 71.846,38.798 C32B.2@72.369,39.321 73.817,39.321 R46B.2@73.894,39.244 ; R46B.2@73.944,39.294 C33B.1@73.944,40.946
ADC_INB_P: C31B.2 C32B.1 R45B.2 U6B.6 | length 11.1
  Top Layer w0.25: U6B.6@64.619,38.296 70.979,38.296 70.981,38.294 71.846,38.294 C32B.1@72.369,37.771 73.869,37.771 R45B.2@73.894,37.746 ; C31B.2@73.944,36.146 R45B.2@73.944,37.696
ADC_INC_N: C32C.2 C33C.1 R46C.2 U6C.7 | length 11.2
  Top Layer w0.25: U6C.7@64.619,46.15 71.188,46.15 71.19,46.148 71.846,46.148 C32C.2@72.369,46.671 73.817,46.671 R46C.2@73.894,46.594 ; R46C.2@73.944,46.644 C33C.1@73.944,48.296
ADC_INC_P: C31C.2 C32C.1 R45C.2 U6C.6 | length 11.1
  Top Layer w0.25: U6C.6@64.619,45.646 70.979,45.646 70.981,45.644 71.846,45.644 C32C.1@72.369,45.121 73.869,45.121 R45C.2@73.894,45.096 ; C31C.2@73.944,43.496 R45C.2@73.944,45.046
ADC_IND_N: C32D.2 C33D.1 R46D.2 U6D.7 | length 11.2
  Top Layer w0.25: U6D.7@64.619,53.5 71.188,53.5 71.19,53.498 71.846,53.498 C32D.2@72.369,54.021 73.817,54.021 R46D.2@73.894,53.944 ; R46D.2@73.944,53.994 C33D.1@73.944,55.646
ADC_IND_P: C31D.2 C32D.1 R45D.2 U6D.6 | length 11.1
  Top Layer w0.25: U6D.6@64.619,52.996 70.979,52.996 70.981,52.994 71.846,52.994 C32D.1@72.369,52.471 73.869,52.471 R45D.2@73.894,52.446 ; C31D.2@73.944,50.846 R45D.2@73.944,52.396
AH1_N: A1.2 R155.1 U18.5 X8.10 | length 22.7
  Top Layer w0.25: U18.5@113.193,40.468 115.534,40.468 116.768,39.233 117.873,40.338 119.99,40.338 120.989,39.338 122.112,39.338 X8.10@122.114,39.336 125.295,42.516 v2(127.016,42.516)
  Bottom Layer w0.25: v2(127.016,42.516) 127.016,44.356 127.915,45.255 A1.2@131.022,45.255
AH1_P: A1.1 R6.1 U18.3 X8.12 | length 35.1
  Top Layer w0.25: U18.3@112.543,36.378 112.543,37.286 112.649,37.391 115.486,37.391 R6.1@116.768,36.108 116.768,36.133 118.433,37.798 119.99,37.798 120.989,36.798 122.112,36.798 X8.12@122.114,36.796 131.601,36.796 135.197,40.392 v2(135.197,46.288)
  Bottom Layer w0.25: A1.1@132.802,46.275 132.815,46.288 v2(135.197,46.288)
AH2_N: A1.6 R156.1 U19.5 X8.6 | length 20.5
  Top Layer w0.25: U19.5@113.193,46.737 115.057,46.737 116.461,45.333 116.468,45.333 R156.1@116.768,45.033 ; R156.1@116.768,44.983 R156.1@116.768,45.008 R156.1@116.768,45.033 ; A1.6@131.022,41.175 127.782,44.416 X8.6@122.114,44.416 122.112,44.418 120.989,44.418 119.99,45.418 117.153,45.418 R156.1@116.768,45.033
AH2_P: A1.3 R154.1 U19.3 X8.8 | length 24.1
  Top Layer w0.25: U19.3@112.543,42.647 112.543,43.508 112.843,43.808 114.968,43.808 R154.1@116.768,42.008 116.768,42.033 117.613,42.878 119.99,42.878 120.989,41.878 122.112,41.878 X8.8@122.114,41.876 123.489,43.25 127.82,43.25 v2(128.093,43.25) 128.026,43.317 127.82,43.317 127.785,43.352
  Bottom Layer w0.25: v2(128.093,43.25) 129.078,44.235 A1.3@132.802,44.235
AH3_N: A1.5 R159.1 U20.5 X8.2 | length 29.4
  Top Layer w0.25: U20.5@113.193,53.006 113.222,52.978 113.222,52.058 113.36,51.921 115.781,51.921 116.768,50.933 R159.1@116.768,50.908 120.702,50.908 X8.2@122.114,49.496 123.856,47.754 133.491,47.754 134.097,47.147 134.097,43.49 A1.5@132.802,42.195
AH3_P: A1.4 R157.1 U20.3 X8.4 | length 23.5
  Top Layer w0.25: U20.3@112.543,48.916 112.543,49.933 112.801,50.191 114.486,50.191 R157.1@116.768,47.908 116.818,47.958 121.112,47.958 X8.4@122.114,46.956 ; X8.4@122.51,47.295 129.1,47.295 129.883,46.512 129.883,44.355 A1.4@131.022,43.215
AH4_N: R160.1 U21.5 X2.2 X8.14 | length 24.2
  Top Layer w0.25: U21.5@113.193,34.198 115.803,34.198 R160.1@116.768,33.233 ; R160.1@116.768,33.183 R160.1@116.768,33.208 R160.1@116.768,33.233 ; X2.2@134.485,31.378 130.887,31.378 128.01,34.256 X8.14@122.114,34.256 122.112,34.258 120.989,34.258 119.99,35.258 118.793,35.258 R160.1@116.768,33.233
AH4_P: R158.1 U21.3 X2.1 X8.16 | length 29.2
  Top Layer w0.25: U21.3@112.543,30.108 112.543,31.151 112.801,31.408 115.768,31.408 R158.1@116.768,30.408 116.768,30.433 119.053,32.718 119.99,32.718 120.989,31.718 122.112,31.718 X8.16@122.114,31.716 122.122,31.708 129.844,31.708 130.678,30.874 133.36,30.874 134.008,30.226 134.962,30.226 136.114,31.378 137.025,31.378 X2.1@136.548,30.901
B: R109.1 R168.2 U15.30 X12.3 | length 82.3
  Top Layer w0.25: R109.1@8.506,76.721 8.506,82.062 X12.3@18.223,91.779 ; U15.30@52.155,80.196 53.876,80.196 55.413,78.659 v2(55.413,74.32) 55.413,73.31 R168.2@55.452,73.271
  Bottom Layer w0.25: X12.3@18.223,91.779 19.574,93.13 24.139,93.13 27.18,90.088 27.18,78.589 33.395,72.374 37.1,72.374 37.309,72.583 53.676,72.583 v2(55.413,74.32)
BUFFER1_N: R12.2 R155.2 U18.6 U18.7 X8.9 | length 15.5
  Top Layer w0.25: R12.2@106.718,38.808 107.118,39.208 111.893,39.208 R155.2@115.218,39.208 115.218,39.183 115.895,38.506 117.323,38.506 118.152,39.336 X8.9@119.574,39.336 ; 111.893,39.258 U18.7@111.893,40.468 U18.6@112.543,40.468
BUFFER1_P: R6.2 R9.1 U18.1 U18.2 X8.11 | length 15.3
  Top Layer w0.25: R9.1@106.718,37.208 110.413,37.208 U18.1@111.243,36.378 U18.2@111.893,36.378 111.893,35.499 112.017,35.376 114.486,35.376 R6.2@115.218,36.108 115.218,36.083 115.895,35.406 117.298,35.406 118.449,36.558 119.337,36.558 X8.11@119.574,36.796
BUFFER2_N: R22.2 R156.2 U19.6 U19.7 X8.5 | length 15.5
  Top Layer w0.25: R22.2@106.718,45.008 111.893,45.008 R156.2@115.218,45.008 115.218,44.983 115.895,44.306 119.465,44.306 X8.5@119.574,44.416 ; 111.893,45.058 U19.7@111.893,46.737 U19.6@112.543,46.737
BUFFER2_P: R19.1 R154.2 U19.1 U19.2 X8.7 | length 14.8
  Top Layer w0.25: R19.1@106.718,43.408 110.482,43.408 U19.1@111.243,42.647 U19.2@111.893,42.647 111.893,41.768 112.017,41.645 114.855,41.645 R154.2@115.218,42.008 115.218,41.983 115.895,41.306 117.453,41.306 118.022,41.876 X8.7@119.574,41.876
BUFFER3_N: R32.2 R159.2 U20.6 U20.7 X8.1 | length 15.9
  Top Layer w0.25: R32.2@106.743,51.326 111.893,51.326 114.801,51.326 R159.2@115.218,50.908 115.218,50.883 116.377,49.725 119.346,49.725 X8.1@119.574,49.496 ; 111.893,51.383 U20.7@111.893,53.006 U20.6@112.543,53.006
BUFFER3_P: R29.1 R157.2 U20.1 U20.2 X8.3 | length 14.5
  Top Layer w0.25: R29.1@106.718,49.708 110.451,49.708 U20.1@111.243,48.916 U20.2@111.893,48.916 111.893,48.086 112.071,47.908 R157.2@115.218,47.908 115.218,47.883 116.146,46.956 X8.3@119.574,46.956
BUFFER4_N: R42.2 R160.2 U21.6 U21.7 X8.13 | length 15.7
  Top Layer w0.25: R42.2@106.718,32.608 107.306,33.196 111.893,33.196 R160.2@115.218,33.196 ; 111.893,33.246 U21.7@111.893,34.198 U21.6@112.543,34.198 ; R160.2@115.218,33.208 R160.2@115.218,33.196 ; X8.13@119.574,34.256 117.825,32.506 115.895,32.506 115.218,33.183 R160.2@115.218,33.196
BUFFER4_P: R39.1 R158.2 U21.1 U21.2 X8.15 | length 15.8
  Top Layer w0.25: R39.1@106.743,31.066 110.285,31.066 U21.1@111.243,30.108 U21.2@111.893,30.108 111.893,29.229 112.017,29.106 113.941,29.106 R158.2@115.218,30.383 ; R158.2@115.218,30.408 R158.2@115.218,30.383 ; X8.15@119.574,31.716 117.565,29.706 115.895,29.706 R158.2@115.218,30.383
CLK_IN: C118.2 TP13.1 U15.7 XT1.1 | length 13
  Top Layer w0.25: C118.2@35.13,81.188 35.405,80.913 35.405,80.501 36.85,79.056 XT1.1@36.85,78.956 ; TP13.1@37.064,81.374 37.064,79.17 XT1.1@36.85,78.956 ; U15.7@43.905,80.196 42.439,80.196 41.199,78.956 XT1.1@36.85,78.956
CLK_OUT: C119.2 TP15.1 U15.8 XT1.3 | length 17.7
  Top Layer w0.25: XT1.3@31.77,74.776 33.872,76.878 TP15.1@39.82,76.878 42.639,79.696 U15.8@43.905,79.696 ; XT1.3@31.79,74.756 31.79,73.228 32.473,72.545 C119.2@33.49,72.545
COS: C79.2 R83.2 TP7.1 U15.45 | length 54.9
  Top Layer w0.25: U15.45@46.78,84.571 46.78,83.538 47.622,82.696 50.439,82.696 54.82,87.078 TP7.1@62.857,87.078 95.007,87.078 95.655,87.726 95.655,88.878 R83.2@95.655,90.278
COS_LO: C82.2 R85.2 TP8.1 U15.44 | length 44.2
  Top Layer w0.25: v1@47.23,86.688 v1(47.03,86.688) 47.28,86.438 U15.44@47.28,84.571 ; TP8.1@76.789,91.088 C82.2@81.03,91.088 v3(81.03,88.188)
  Bottom Layer w0.25: v1(47.03,86.688) 79.53,86.688 v3(81.03,88.188)
DIG_IO_01: R170.2 U15.32 X12.4 X16.17 | length 113.4
  Top Layer w0.25: X16.17@-12.153,64.791 v2(-9.078,64.791) ; U15.32@52.155,81.196 55.756,81.196 58.294,78.659 v2(58.294,75.183) 58.294,73.31 R170.2@58.333,73.271
  Bottom Layer w0.25: v2(-9.078,64.791) -6.225,64.791 17.034,88.05 17.034,89.467 18.071,90.504 19.488,90.504 X12.4@20.763,91.779 24.75,91.779 26.492,90.038 26.492,77.482 32.66,71.313 41.292,71.313 41.292,71.085 41.615,70.761 42.073,70.761 42.396,71.085 42.396,71.313 43.601,71.313 43.875,71.039 44.333,71.039 44.607,71.313 54.424,71.313 v2(58.294,75.183)
DIG_IO_03: R161.1 R163.2 TP21.1 U15.37 X12.6 X16.21 | length 94
  Top Layer w0.25: X16.21@-12.153,63.191 v2(-9.058,63.191) ; X12.6@20.763,89.239 28.202,96.678 v1(51.685,96.678) ; U15.37@50.78,84.571 51.214,84.571 53.928,87.286 R163.2@53.928,89.48 R161.1@53.928,90.68 v1(53.928,93.591) 54.05,93.591 54.304,93.845 TP21.1@55.553,93.845
  Bottom Layer w0.25: v2(-9.058,63.191) -6.759,63.191 17.831,87.781 18.182,87.781 19.638,89.237 20.761,89.237 X12.6@20.763,89.239 ; v1(51.685,96.678) 53.928,94.435 v1(53.928,93.591)
DIG_IO_04: U15.4 X12.7 X16.22 | length 69.6
  Top Layer w0.25: X12.7@18.223,86.699 19.225,87.701 26.723,87.701 31.524,82.9 42.521,82.9 42.874,82.548 42.874,81.843 43.02,81.696 U15.4@43.905,81.696
  Bottom Layer w0.25: X16.22@-12.153,63.191 -9.839,63.191 -9.287,62.639 -6.778,62.639 16.122,85.538 17.062,85.538 X12.7@18.223,86.699
DIG_IO_05: R133.1 U15.10 X12.8 X16.25 | length 81.9
  Top Layer w0.25: X16.25@-12.153,61.591 v2(-9.058,61.591) ; X12.8@20.763,86.699 20.801,86.661 25.406,86.661 27.18,84.887 27.18,77.11 32.554,71.736 38.821,71.736 39.555,72.47 39.855,72.77 39.905,72.77 41.042,73.908 41.042,76.964 42.774,78.696 U15.10@43.905,78.696
  Bottom Layer w0.25: v2(-9.058,61.591) -7.195,61.591 16.375,85.161 18.102,85.161 19.638,86.697 20.761,86.697 X12.8@20.763,86.699
DIG_IO_06: U15.11 X12.9 X16.26 | length 81.3
  Top Layer w0.25: X12.9@18.223,84.159 19.466,85.402 24.75,85.402 26.492,83.661 26.492,77.266 32.398,71.359 39.7,71.359 41.419,73.078 41.419,76.808 42.808,78.196 U15.11@43.905,78.196
  Bottom Layer w0.25: X16.26@-12.153,61.591 -12.144,61.6 -10.012,61.6 -9.017,60.605 -7.488,60.605 16.067,84.159 X12.9@18.223,84.159
DIG_IO_07: U15.12 X12.10 X16.29 | length 77.5
  Top Layer w0.25: X16.29@-12.153,59.991 v2(-9.044,59.991) ; X12.10@20.763,84.159 23.714,81.208 23.714,79.51 32.242,70.982 39.857,70.982 41.796,72.922 41.796,76.652 42.841,77.696 U15.12@43.905,77.696
  Bottom Layer w0.25: v2(-9.044,59.991) -7.569,59.991 15.062,82.621 18.102,82.621 19.638,84.157 20.761,84.157 X12.10@20.763,84.159
DIG_IO_08: U15.13 X12.11 X16.30 | length 77.8
  Top Layer w0.25: X12.11@18.223,81.619 19.225,82.621 21.178,82.621 22.506,81.294 22.506,80.185 32.086,70.605 43.899,70.605 45.28,71.987 U15.13@45.28,76.321
  Bottom Layer w0.25: X16.30@-12.153,59.991 -10.147,59.991 -9.545,59.389 -7.637,59.389 14.593,81.619 X12.11@18.223,81.619
DIG_IO_10: R162.1 R164.2 TP22.1 U15.36 X12.15 X16.34 | length 113.2
  Top Layer w0.25: X12.15@18.223,76.539 27.374,67.388 59.625,67.388 61.945,69.708 TP22.1@61.945,80.237 61.945,83.278 R162.1@61.955,83.288 R164.2@61.955,84.488 60.655,85.788 54.451,85.788 52.155,83.492 U15.36@52.155,83.196
  Bottom Layer w0.25: X16.34@-12.153,58.391 -10.33,58.391 -9.778,57.839 -8.073,57.839 3.181,69.093 4.161,69.093 11.607,76.539 X12.15@18.223,76.539
DIG_IO_11: X7.1 X16.37 | length 172.6
  Top Layer w0.4: X16.37@-12.153,56.791 -12.078,56.716 -10.655,56.716 -10.499,56.56 -9.977,56.56 -9.575,56.962 -8.902,57.635 v2(-7.496,57.635)
  Bottom Layer w0.4: v2(-7.496,57.635) -7.378,57.635 -6.192,58.821 73.655,58.821 80.915,51.562 80.915,37.508 82.824,35.598 103.803,35.598 106.223,33.179 127.51,33.179 135.815,41.483 136.921,41.483 X7.1@137.028,41.591
DIG_IO_15: R108.2 R110.2 X16.45 | length 39.5
  Top Layer w0.25: X16.45@-12.153,53.591 -10.138,53.591 -9.5,54.229 -9.5,54.824 -8.823,55.501 R110.2@-8.823,56.377 -8.823,56.402 -8.146,57.079 -6.821,57.079 -3.044,60.857 6.047,60.857 11.365,66.175 11.365,74.145 10.056,75.454 R108.2@10.056,75.479
DIG_IO_16: R109.2 R111.2 X16.46 | length 42.7
  Top Layer w0.25: v2(-8.938,52.744) -8.938,53.661 -8.918,53.681 -8.543,53.681 R111.2@-8.523,53.7 ; R111.2@-8.823,53.986 -8.523,54.286 -8.523,54.568 -8.026,55.065 -6.193,55.065 -1.208,60.049 6.306,60.049 12.119,65.862 12.119,74.647 10.585,76.181 10.571,76.181 10.056,76.696 R109.2@10.056,76.721
  Bottom Layer w0.4: X16.46@-12.153,53.591 -10.061,53.591 -9.214,52.744 v2(-8.938,52.744)
DIG_IO_17: R107.2 R112.2 X16.49 | length 48.6
  Top Layer w0.25: R112.2@-8.823,51.595 -8.823,51.62 -8.523,51.92 -8.498,51.92 -8.016,52.401 -8.016,54.541 -7.87,54.688 -6.037,54.688 -1.052,59.672 6.462,59.672 12.527,65.737 12.527,75.504 10.607,77.423 9.526,77.423 9.379,77.276 9.379,74.914 10.056,74.237 R107.2@10.056,74.212
  Top Layer w0.4: X16.49@-12.153,51.991 R112.2@-9.144,51.991
DIG_IO_18: U24.1 X11.1 X16.50 | length 96.8
  Top Layer w0.25: X11.1@14.036,56.763 17.914,60.641 79.68,60.641 U24.1@79.705,60.666
  Bottom Layer w0.25: X16.50@-12.153,51.991 -9.401,51.991 -7.833,50.423 4.832,50.423 11.172,56.763 X11.1@14.036,56.763
DIG_IO_19: U24.3 X11.3 X16.53 | length 97.3
  Top Layer w0.25: X16.53@-12.153,50.391 -7.185,50.391 -6.512,49.718 5.214,49.718 9.718,54.223 X11.3@14.036,54.223 15.14,55.327 15.14,57.277 17.229,59.366 33.58,59.366 U24.3@79.705,59.366
DIG_IO_20: U24.4 X11.5 X16.54 | length 97.9
  Top Layer w0.25: X11.5@14.036,51.683 15.517,53.164 15.517,57.121 17.112,58.716 33.58,58.716 U24.4@79.705,58.716
  Bottom Layer w0.25: X16.54@-12.153,50.391 -12.111,50.348 -8.594,50.348 -8.292,50.046 4.988,50.046 6.625,51.683 X11.5@14.036,51.683
DIG_IO_21: U24.5 X11.2 X16.57 | length 98
  Top Layer w0.25: X16.57@-12.153,45.591 1.619,45.591 8.79,52.761 v2(10.94,52.761) ; X11.2@16.653,56.686 X11.2@16.576,56.763 17.879,58.066 33.58,58.066 U24.5@79.705,58.066
  Bottom Layer w0.25: v2(10.94,52.761) 10.958,52.761 10.98,52.74 13.97,52.74 15.038,53.808 15.038,55.225 X11.2@16.576,56.763
DIG_IO_22: U24.6 X11.4 X16.58 | length 98.3
  Top Layer w0.25: X11.4@16.574,53.747 16.337,53.984 X11.4@16.576,54.223 19.769,57.416 U24.6@79.705,57.416
  Bottom Layer w0.25: X16.58@-12.153,45.591 -7.927,45.591 -3.963,49.555 13.325,49.555 15.394,51.624 15.394,53.041 X11.4@16.576,54.223
DIG_IO_23: U24.7 X11.6 X16.61 | length 97.2
  Top Layer w0.25: X16.61@-12.153,43.991 1.527,43.991 8.009,50.473 15.367,50.473 X11.6@16.576,51.683 21.659,56.766 33.58,56.766 U24.7@79.705,56.766
DIG_IO_30: X16.74
DOS: R126.2 U15.35 X12.14 | length 65.1
  Top Layer w0.25: X12.14@20.763,79.079 31.406,68.437 57.346,68.437 60.355,71.447 R126.2@60.355,82.771 60.33,82.771 59.912,83.19 56.076,83.19 55.582,82.696 U15.35@52.155,82.696
EXC: R61.2 TP11.1 U15.38 | length 68.8
  Top Layer w0.25: U15.38@50.28,84.571 50.28,85.538 v1(50.63,85.888) 50.64,85.898 51.355,85.898 TP11.1@53.046,87.588
  Bottom Layer w0.25: v1(50.63,85.888) 57.86,78.659 110.139,78.659 R61.2@111.372,79.891